# Altium PCB ir-24v-shit5-7-v2.PcbDoc (part 2 of 5) (continued)
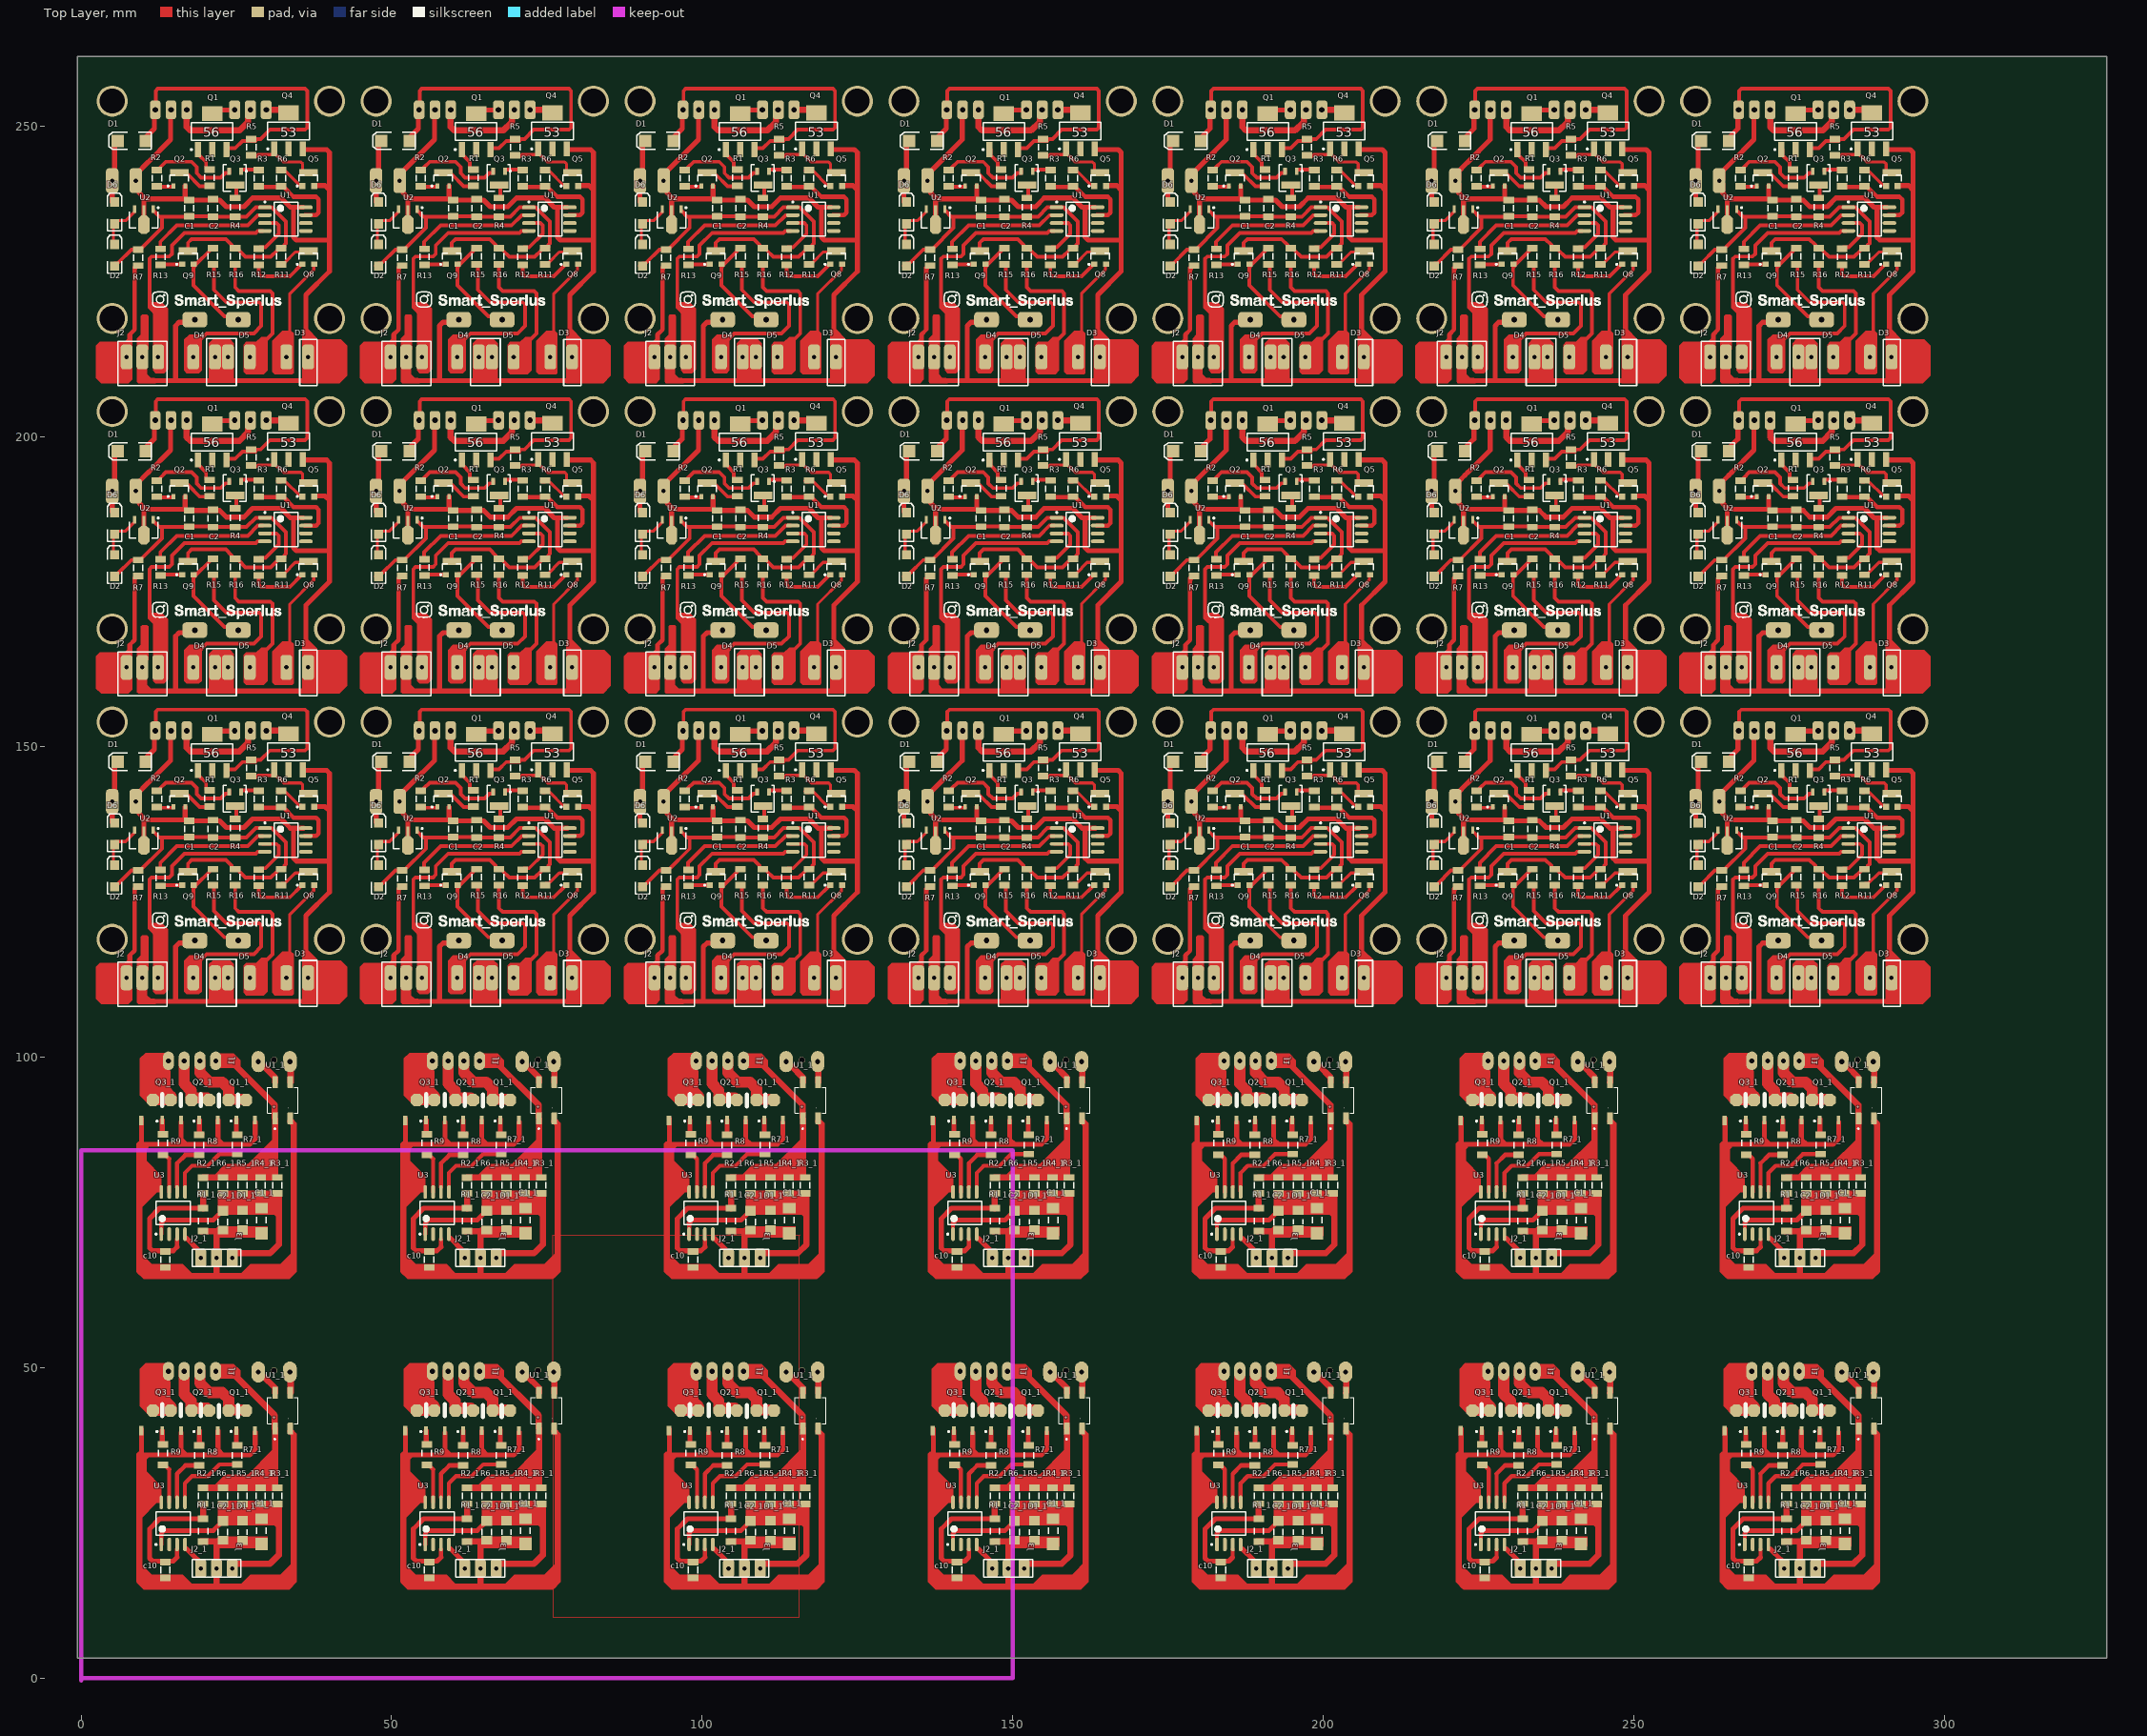
[diagram p0: Top Layer view]
## Part data
C1 C1 C1 C1 C1 C1 C1 C1 C1 C1 C1 C1 C1 C1 C1 C1 C1 C1 C1 C1 C1 C1_1 C1_1 C1_1 C1_1 C1_1 C1_1 C1_1 C1_1 C1_1 C1_1 C1_1 C1_1 C1_1 C1_1 C2 C2 C2 C2 C2 C2 C2 C2 C2 C2 C2 C2 C2 C2 C2 C2 C2 C2 C2 C2 C2 C2_1 C2_1 C2_1 C2_1 C2_1 C2_1 C2_1 C2_1 C2_1 C2_1 C2_1 C2_1 C2_1 C2_1: library part Capacitor, "Capacitor"
C5 C5 C5 C5 C5 C5 C5 C5 C5 C5 C5 C5 C5 C5 C5 C5 C5 C5 C5 C5 C5: library part "Capacitor Electrolytic", "Electrolytic Capacitor"
c10 c10 c10 c10 c10 c10 c10 c10 c10 c10 c10 c10 c10 c10 R1 R1 R1 R1 R1 R1 R1 R1 R1 R1 R1 R1 R1 R1 R1 R1 R1 R1 R1 R1 R1 R1_1 R1_1 R1_1 R1_1 R1_1 R1_1 R1_1 R1_1 R1_1 R1_1 R1_1 R1_1 R1_1 R1_1 R2 R2 R2 R2 R2 R2 R2 R2 R2 R2 R2 R2 R2 R2 R2 R2 R2 R2 R2 R2 R2 R2_1 R2_1 R2_1 R2_1 R2_1 R2_1 R2_1 R2_1 R2_1 R2_1 R2_1 R2_1 R2_1 R2_1 R3 R3 R3 R3 R3 R3 R3 R3 R3 R3 R3 R3 R3 R3 R3 R3 R3 R3 R3 R3 R3 R3_1 R3_1 R3_1 R3_1 R3_1 R3_1 R3_1 R3_1 R3_1 R3_1 R3_1 R3_1 R3_1 R3_1 R4 R4 R4 R4 R4 R4 R4 R4 R4 R4 R4 R4 R4 R4 R4 R4 R4 R4 R4 R4 R4 R4_1 R4_1 R4_1 R4_1 R4_1 R4_1 R4_1 R4_1 R4_1 R4_1 R4_1 R4_1 R4_1 R4_1 R5 R5 R5 R5 R5 R5 R5 R5 R5 R5 R5 R5 R5 R5 R5 R5 R5 R5 R5 R5 R5 R5_1 R5_1 R5_1 R5_1 R5_1 R5_1 R5_1 R5_1 R5_1 R5_1 R5_1 R5_1 R5_1 R5_1 R6 R6 R6 R6 R6 R6 R6 R6 R6 R6 R6 R6 R6 R6 R6 R6 R6 R6 R6 R6 R6 R6_1 R6_1 R6_1 R6_1 R6_1 R6_1 R6_1 R6_1 R6_1 R6_1 R6_1 R6_1 R6_1 R6_1 R7 R7 R7 R7 R7 R7 R7 R7 R7 R7 R7 R7 R7 R7 R7 R7 R7 R7 R7 R7 R7 R7_1 R7_1 R7_1 R7_1 R7_1 R7_1 R7_1 R7_1 R7_1 R7_1 R7_1 R7_1 R7_1 R7_1 R8 R8 R8 R8 R8 R8 R8 R8 R8 R8 R8 R8 R8 R8 R9 R9 R9 R9 R9 R9 R9 R9 R9 R9 R9 R9 R9 R9 R11 R11 R11 R11 R11 R11 R11 R11 R11 R11 R11 R11 R11 R11 R11 R11 R11 R11 R11 R11 R11 R12 R12 R12 R12 R12 R12 R12 R12 R12 R12 R12 R12 R12 R12 R12 R12 R12 R12 R12 R12 R12 R13 R13 R13 R13 R13 R13 R13 R13 R13 R13 R13 R13 R13 R13 R13 R13 R13 R13 R13 R13 R13 R15 R15 R15 R15 R15 R15 R15 R15 R15 R15 R15 R15 R15 R15 R15 R15 R15 R15 R15 R15 R15 R16 R16 R16 R16 R16 R16 R16 R16 R16 R16 R16 R16 R16 R16 R16 R16 R16 R16 R16 R16 R16: library part Resistor, "Resistor", Power="1/4 W", Tolerance=5%
  R1 R1 R1 R1 R1 R1 R1 R1 R1 R1 R1 R1 R1 R1 R1 R1 R1 R1 R1 R1 R1 R2 R2 R2 R2 R2 R2 R2 R2 R2 R2 R2 R2 R2 R2 R2 R2 R2 R2 R2 R2 R2 R3 R3 R3 R3 R3 R3 R3 R3 R3 R3 R3 R3 R3 R3 R3 R3 R3 R3 R3 R3 R3 R4 R4 R4 R4 R4 R4 R4 R4 R4 R4 R4 R4 R4 R4 R4 R4 R4 R4 R4 R4 R4 R5 R5 R5 R5 R5 R5 R5 R5 R5 R5 R5 R5 R5 R5 R5 R5 R5 R5 R5 R5 R5 R6 R6 R6 R6 R6 R6 R6 R6 R6 R6 R6 R6 R6 R6 R6 R6 R6 R6 R6 R6 R6 R7 R7 R7 R7 R7 R7 R7 R7 R7 R7 R7 R7 R7 R7 R7 R7 R7 R7 R7 R7 R7 R11 R11 R11 R11 R11 R11 R11 R11 R11 R11 R11 R11 R11 R11 R11 R11 R11 R11 R11 R11 R11 R12 R12 R12 R12 R12 R12 R12 R12 R12 R12 R12 R12 R12 R12 R12 R12 R12 R12 R12 R12 R12 R13 R13 R13 R13 R13 R13 R13 R13 R13 R13 R13 R13 R13 R13 R13 R13 R13 R13 R13 R13 R13 R15 R15 R15 R15 R15 R15 R15 R15 R15 R15 R15 R15 R15 R15 R15 R15 R15 R15 R15 R15 R15 R16 R16 R16 R16 R16 R16 R16 R16 R16 R16 R16 R16 R16 R16 R16 R16 R16 R16 R16 R16 R16: Simulation ModelName="Model Name", Simulation PortMap=(1:1),(2:2)
D1 D1 D1 D1 D1 D1 D1 D1 D1 D1 D1 D1 D1 D1 D1 D1 D1 D1 D1 D1 D1 D2 D2 D2 D2 D2 D2 D2 D2 D2 D2 D2 D2 D2 D2 D2 D2 D2 D2 D2 D2 D2 D6 D6 D6 D6 D6 D6 D6 D6 D6 D6 D6 D6 D6 D6 D6 D6 D6 D6 D6 D6 D6: "Tunnel Diode - RLC Model", LatestRevisionDate=17-Jul-2002, LatestRevisionNote="Re-released for DXP Platform.", PackageDescription="SM LED; 2 Flat Leads", PackageReference=3.2X1.6X1.1, PackageVersion=Feb-2002, Published=8-Jun-2000, Publisher="Altium Limited", Simulation ModelName=DTUNNEL1, Simulation PortMap=(1:1),(2:2)
D1_1 D1_1 D1_1 D1_1 D1_1 D1_1 D1_1 D1_1 D1_1 D1_1 D1_1 D1_1 D1_1 D1_1: "Default Diode", Code_JEDEC=DO-214-AB, LatestRevisionDate=17-Jul-2002, LatestRevisionNote="Re-released for DXP Platform.", PackageDescription="DO-214-AB/SMC; 2 C-Bend Leads; Body 7.9 x 5.9 mm, inc. leads (LxW)", PackageReference=SMC, PackageVersion=Sep-1996, Published=8-Jun-2000, Publisher="Altium Limited"
D3 D3 D3 D3 D3 D3 D3 D3 D3 D3 D3 D3 D3 D3 D3 D3 D3 D3 D3 D3 D3 D4 D4 D4 D4 D4 D4 D4 D4 D4 D4 D4 D4 D4 D4 D4 D4 D4 D4 D4 D4 D4 D5 D5 D5 D5 D5 D5 D5 D5 D5 D5 D5 D5 D5 D5 D5 D5 D5 D5 D5 D5 D5: "Typical RED, GREEN, YELLOW, AMBER GaAs LED", LatestRevisionDate=17-Jul-2002, LatestRevisionNote="Re-released for DXP Platform.", PackageDescription="SM LED; 2 Flat Leads", PackageReference=3.2X1.6X1.1, PackageVersion=Feb-2002, Published=8-Jun-2000, Publisher="Altium Limited", Simulation ModelName=LED2, Simulation PortMap=(1:1),(2:2)
Q1 Q1 Q1 Q1 Q1 Q1 Q1 Q1 Q1 Q1 Q1 Q1 Q1 Q1 Q1 Q1 Q1 Q1 Q1 Q1 Q1 Q4 Q4 Q4 Q4 Q4 Q4 Q4 Q4 Q4 Q4 Q4 Q4 Q4 Q4 Q4 Q4 Q4 Q4 Q4 Q4 Q4: "P-Channel MOSFET, Externally Terminated Substrate", Code_IPC=SOT223-4, Code_JEDEC=TO-261-AA-B, Code_JEITA=SC-75, LatestRevisionDate=29-May-2009, LatestRevisionNote="IPC-7351 Footprint Added.", PackageDescription="4-Pin SOT-223 Package 2.3 mm Pitch, 7 mm Lead Span", PackageReference=SOT223, PackageVersion=2002, Published=24-Mar-1999, Publisher="Altium Limited", Simulation ModelName=PMOS, Simulation PortMap=(1:2),(2:1),(3:4),(4:3)
Q1_1 Q1_1 Q1_1 Q1_1 Q1_1 Q1_1 Q1_1 Q1_1 Q1_1 Q1_1 Q1_1 Q1_1 Q1_1 Q1_1 Q2_1 Q2_1 Q2_1 Q2_1 Q2_1 Q2_1 Q2_1 Q2_1 Q2_1 Q2_1 Q2_1 Q2_1 Q2_1 Q2_1 Q3_1 Q3_1 Q3_1 Q3_1 Q3_1 Q3_1 Q3_1 Q3_1 Q3_1 Q3_1 Q3_1 Q3_1 Q3_1 Q3_1: "Silicon Bidirectional Triode Thyristor", ComponentLink1Description="Manufacturer Link", ComponentLink1URL=http://www.motorola.com/, DatasheetVersion=1999, LatestRevisionDate=17-Jul-2002, LatestRevisionNote="Re-released for DXP Platform.", Note="Pin 2 is electrically connected to Pin 4 (TAB)", PackageDescription="TO, Thru-Hole, Vertical, Heatsink Mounted; 3 In-Line Leads; Pitch 2.28 mm", PackageReference=369-03, Published=29-Sep-2000, Publisher="Altium Limited"
Q2 Q2 Q2 Q2 Q2 Q2 Q2 Q2 Q2 Q2 Q2 Q2 Q2 Q2 Q2 Q2 Q2 Q2 Q2 Q2 Q2 Q5 Q5 Q5 Q5 Q5 Q5 Q5 Q5 Q5 Q5 Q5 Q5 Q5 Q5 Q5 Q5 Q5 Q5 Q5 Q5 Q5 Q8 Q8 Q8 Q8 Q8 Q8 Q8 Q8 Q8 Q8 Q8 Q8 Q8 Q8 Q8 Q8 Q8 Q8 Q8 Q8 Q8 Q9 Q9 Q9 Q9 Q9 Q9 Q9 Q9 Q9 Q9 Q9 Q9 Q9 Q9 Q9 Q9 Q9 Q9 Q9 Q9 Q9: "NPN Bipolar Transistor", LatestRevisionDate=29-May-2009, LatestRevisionNote="IPC-7351 Footprint Added.", PackageDescription="3-Pin SOT-23 Package 0.95 mm Pitch, 2.4 mm Lead Span", PackageReference=SOT-23B, PackageVersion=Aug-1999, Published=8-Jun-2000, Publisher="Altium Limited", Simulation ModelName=QNPN, Simulation PortMap=(1:1),(2:2),(3:3)
Q3 Q3 Q3 Q3 Q3 Q3 Q3 Q3 Q3 Q3 Q3 Q3 Q3 Q3 Q3 Q3 Q3 Q3 Q3 Q3 Q3: "PNP Bipolar Transistor", LatestRevisionDate=29-May-2009, LatestRevisionNote="IPC-7351 Footprint Added.", PackageDescription="3-Pin SOT-23 Package 0.95 mm Pitch, 2.4 mm Lead Span", PackageReference=SOT-23B, PackageVersion=Aug-1999, Published=8-Jun-2000, Publisher="Altium Limited", Simulation ModelName=PNP, Simulation PortMap=(1:1),(2:2),(3:3)
U1 U1 U1 U1 U1 U1 U1 U1 U1 U1 U1 U1 U1 U1 U1 U1 U1 U1 U1 U1 U1 U3 U3 U3 U3 U3 U3 U3 U3 U3 U3 U3 U3 U3 U3: "8-Bit AVR Microcontroller with 1K Byte of Flash Memory", Supplier Part Number 1=ATTINY15L-1SC-ND, ComponentLink1Description=Datasheet, ComponentLink1URL=http://www.atmel.com/dyn/resources/prod_documents/doc1187.pdf, ComponentLink2Description="Atmel.com Home", ComponentLink2URL=http://www.atmel.com, DatasheetVersion=1187E-AVR-06/02, LatestRevisionDate=16-Oct-2006, LatestRevisionNote="IPC-7351 Footprint Added.", PackageDescription="8-Lead, 0.208\" Body, Plastic Small Outline Package (EIAJ)", PackageReference=8S2, PackageVersion="revF, Apr-2008", Published=17-Sep-2003, Publisher="Altium Limited", Supplier 1=Digi-Key, Supplier 2=Mouser, Supplier Part Number 2=556-ATTINY15L1SC
U1_1 U1_1 U1_1 U1_1 U1_1 U1_1 U1_1 U1_1 U1_1 U1_1 U1_1 U1_1 U1_1 U1_1: "Bridge Rectifier Single Phase Standard 600V Surface Mount 4-SOIC", Package="BESOP-4 Surge Components", Digi-Key_Part_Number=MB6SCT-ND, Digi-Key_Purchase_URL=https://www.digikey.com.tr/product-detail/en/on-semiconductor/MB6S/MB6SCT-ND/965654?utm_source=snapeda&utm_medium=aggregator&utm_campaign=symbol, MF="ON Semiconductor", MP=MB6S, SnapEDA_Link=https://www.snapeda.com/parts/MB6S/ON%20Semiconductor/view-part/2774209/?ref=snap
U2 U2 U2 U2 U2 U2 U2 U2 U2 U2 U2 U2 U2 U2 U2 U2 U2 U2 U2 U2 U2: "800mA Low-Dropout Linear Regulator", DigiKeyPartNumber=LM1117MP-3.3CT-ND, Manufacturer="National Semiconductor", PackageTopMarking=XYTT*N05A, PowerWise=N, Code_IPC=SOT223-4, Code_JEDEC=TO-261-AA, ComponentLink1Description="LM1117 Datasheet", ComponentLink1URL=http://www.national.com/ds/LM/LM1117.pdf, ComponentLink2Description="LM1117 Web Page", ComponentLink2URL=http://www.national.com/pf/LM/LM1117.html, ComponentLink3Description="MP04A Package Page", ComponentLink3URL=http://www.national.com/packaging/folders/mp04a.html, CompType="LDO IC", DatasheetVersion=Apr-2006, PackageDescription="Molded SOT-223, 6.50 x 3.56 x 1.6mm Body, 4 Lead, 2.3mm Pitch", PackageReference=MP04A, PackageVersion="revB, Apr-2003", PartNumber=LM1117MP-3.3, PinCount=4, Published=4-Dec-2008, Publisher="Altium Limited", RoHS=O
Buzzer1 Buzzer1 Buzzer1 Buzzer1 Buzzer1 Buzzer1 Buzzer1 Buzzer1 Buzzer1 Buzzer1 Buzzer1 Buzzer1 Buzzer1 Buzzer1 Buzzer1 Buzzer1 Buzzer1 Buzzer1 Buzzer1 Buzzer1 Buzzer1: ComponentLinkURL=www.picpars.com, Designer="Seyed Mohsen Ghasemain"

## Free pads (board coordinates)
  round 5 hole 4: 2(5,154) 2(5,204) 2(5,254) 2(40,119) 2(40,169) 2(40,219) 2(47.5,154) 2(47.5,204) 2(47.5,254) 2(82.5,119) 2(82.5,169) 2(82.5,219) 2(90,154) 2(90,204) 2(90,254) 2(125,119) 2(125,169) 2(125,219) 2(132.5,154) 2(132.5,204) 2(132.5,254) 2(167.5,119) 2(167.5,169) 2(167.5,219) 2(175,154) 2(175,204) 2(175,254) 2(210,119) 2(210,169) 2(210,219) 2(217.5,154) 2(217.5,204) 2(217.5,254) 2(252.5,119) 2(252.5,169) 2(252.5,219) 2(260,154) 2(260,204) 2(260,254) 2(295,119) 2(295,169) 2(295,219) 3(5,119) 3(5,169) 3(5,219) 3(47.5,119) 3(47.5,169) 3(47.5,219) 3(90,119) 3(90,169) 3(90,219) 3(132.5,119) 3(132.5,169) 3(132.5,219) 3(175,119) 3(175,169) 3(175,219) 3(217.5,119) 3(217.5,169) 3(217.5,219) 3(260,119) 3(260,169) 3(260,219) 5(40,154) 5(40,204) 5(40,254) 5(82.5,154) 5(82.5,204) 5(82.5,254) 5(125,154) 5(125,204) 5(125,254) 5(167.5,154) 5(167.5,204) 5(167.5,254) 5(210,154) 5(210,204) 5(210,254) 5(252.5,154) 5(252.5,204) 5(252.5,254) 5(295,154) 5(295,204) 5(295,254)
  rect 0.7x1.524 all layers, no hole: 163(9.661,39.847) 163(9.661,89.847) 163(52.161,39.847) 163(52.161,89.847) 163(94.661,39.847) 163(94.661,89.847) 163(137.161,39.847) 163(137.161,89.847) 163(179.661,39.847) 163(179.661,89.847) 163(222.161,39.847) 163(222.161,89.847) 163(264.661,39.847) 163(264.661,89.847)
  oct 2x2 all layers, no hole: 173(11.572,43.126) 173(11.572,93.126) 173(14.366,43.126) 173(14.366,93.126) 173(17.795,43.126) 173(17.795,93.126) 173(20.589,43.126) 173(20.589,93.126) 173(23.764,43.126) 173(23.764,93.126) 173(26.558,43.126) 173(26.558,93.126) 173(54.072,43.126) 173(54.072,93.126) 173(56.866,43.126) 173(56.866,93.126) 173(60.295,43.126) 173(60.295,93.126) 173(63.089,43.126) 173(63.089,93.126) 173(66.264,43.126) 173(66.264,93.126) 173(69.058,43.126) 173(69.058,93.126) 173(96.572,43.126) 173(96.572,93.126) 173(99.366,43.126) 173(99.366,93.126) 173(102.795,43.126) 173(102.795,93.126) 173(105.589,43.126) 173(105.589,93.126) 173(108.764,43.126) 173(108.764,93.126) 173(111.558,43.126) 173(111.558,93.126) 173(139.072,43.126) 173(139.072,93.126) 173(141.866,43.126) 173(141.866,93.126) 173(145.295,43.126) 173(145.295,93.126) 173(148.089,43.126) 173(148.089,93.126) 173(151.264,43.126) 173(151.264,93.126) 173(154.058,43.126) 173(154.058,93.126) 173(181.572,43.126) 173(181.572,93.126) 173(184.366,43.126) 173(184.366,93.126) 173(187.795,43.126) 173(187.795,93.126) 173(190.589,43.126) 173(190.589,93.126) 173(193.764,43.126) 173(193.764,93.126) 173(196.558,43.126) 173(196.558,93.126) 173(224.072,43.126) 173(224.072,93.126) 173(226.866,43.126) 173(226.866,93.126) 173(230.295,43.126) 173(230.295,93.126) 173(233.089,43.126) 173(233.089,93.126) 173(236.264,43.126) 173(236.264,93.126) 173(239.058,43.126) 173(239.058,93.126) 173(266.572,43.126) 173(266.572,93.126) 173(269.366,43.126) 173(269.366,93.126) 173(272.795,43.126) 173(272.795,93.126) 173(275.589,43.126) 173(275.589,93.126) 173(278.764,43.126) 173(278.764,93.126) 173(281.558,43.126) 173(281.558,93.126)

## Nets (pads, with @x,y where several pads share a name; then routed paths per layer and width w, separated by ;. In a path a pad name is that pad's centre, name@x,y a point inside that pad or via, vN(x,y) a via of type N, cw(c..) or ccw(c..) an arc to the next point about the centre after c; other vN are vias at no path point)
bizer: 
GND: 
ir-r: 
ir-t: 
key: 
key+: 
key-: 
NetBuzzer1_1: 
NetD2_2: 
NetD3_1: 
NetD4_1: 
NetD5_1: 
NetJ2_1: 
NetQ1_1: 
NetQ2_1: 
NetQ2_2: 
NetQ3_1: 
NetQ3_2: 
NetQ3_3: 
NetQ4_1: 
NetQ5_2: 
NetQ8_1: 
NetQ8_2: 
NetQ9_2: 
NetQ10_1: 
NetQ10_2: 
NetQ10_3: 
out: 
vcc: 
vdd: 
vdd-a: 
pads on no net: Buzzer1.1 Buzzer1.2 C1.1 C1.2 C1_1.1 C1_1.2 C2.1 C2.2 C2_1.1 C2_1.2 C5.1 C5.2 c10.1 c10.2 D1.1 D1.2 D1_1.1 D1_1.2 D2.1 D2.2 D3.1 D3.2 D4.1 D4.2 D5.1 D5.2 D6.1 D6.2 J1.1 J1.2 J1.3 J2.1 J2.2 J2.3 J2_1.1 J2_1.2 J2_1.3 J3.1 J3.2 J3.3 J3.4 Q1.1 Q1.2 Q1.3 Q1.4 Q1_1.1 Q1_1.3 Q2.1 Q2.2 Q2.3 Q2_1.1 Q2_1.3 Q3.1 Q3.2 Q3.3 Q3_1.1 Q3_1.3 Q4.1 Q4.2 Q4.3 Q4.4 Q5.1 Q5.2 Q5.3 Q8.1 Q8.2 Q8.3 Q9.1 Q9.2 Q9.3 R1.1 R1.2 R1_1.1 R1_1.2 R2.1 R2.2 R2_1.1 R2_1.2 R3.1 R3.2 R3_1.1 R3_1.2 R4.1 R4.2 R4_1.1 R4_1.2 R5.1 R5.2 R5_1.1 R5_1.2 R6.1 R6.2 R6_1.1 R6_1.2 R7.1 R7.2 R7_1.1 R7_1.2 R8.1 R8.2 R9.1 R9.2 R11.1 R11.2 R12.1 R12.2 R13.1 R13.2 R15.1 R15.2 R16.1 R16.2 U1.1 U1.2 U1.3 U1.4 U1.5 U1.6 U1.7 U1.8 U1_1.1 U1_1.2 U1_1.3 U1_1.4 U2.1 U2.2 U2.3 U3.1 U3.2 U3.3 U3.4 U3.5 U3.6 U3.7 U3.8
copper on no net: | length 15730.2
  Top Layer w0.5: 5,134.25 5.5,134.75 7.15,134.75 8.599,136.199 ; 5,184.25 5.5,184.75 7.15,184.75 8.599,186.199 ; 5,234.25 5.5,234.75 7.15,234.75 8.599,236.199 ; 5.2,130.95 5.2,134.05 5.4,134.25 ; 5.2,180.95 5.2,184.05 5.4,184.25 ; 5.2,230.95 5.2,234.05 5.4,234.25 ; 12.567,28.642 12.608,28.602 ; 12.567,78.642 12.608,78.602 ; 22.214,24.7 22.214,24.75 ; 22.214,74.7 22.214,74.75 ; 22.764,25.3 22.814,25.3 ; 22.764,75.3 22.814,75.3 ; 28.2,145.105 28.495,145.4 30.85,145.4 31.1,145.65 31.1,145.85 ; 28.2,195.105 28.495,195.4 30.85,195.4 31.1,195.65 31.1,195.85 ; 28.2,245.105 28.495,245.4 30.85,245.4 31.1,245.65 31.1,245.85 ; 31.1,145.4 31.1,145.85 ; 31.1,146.3 31.1,145.85 ; 31.1,195.4 31.1,195.85 ; 31.1,196.3 31.1,195.85 ; 31.1,245.4 31.1,245.85 ; 31.1,246.3 31.1,245.85 ; 31.3,145.4 31.55,145.15 31.65,145.15 32.6,144.2 35.375,144.2 35.668,143.907 35.668,142.825 36.018,142.475 36.6,142.475 ; 31.3,195.4 31.55,195.15 31.65,195.15 32.6,194.2 35.375,194.2 35.668,193.907 35.668,192.825 36.018,192.475 36.6,192.475 ; 31.3,245.4 31.55,245.15 31.65,245.15 32.6,244.2 35.375,244.2 35.668,243.907 35.668,242.825 36.018,242.475 36.6,242.475 ; 31.586,142.839 31.8,142.626 31.986,142.626 32.174,142.626 ; 31.586,192.839 31.8,192.626 31.986,192.626 32.174,192.626 ; 31.586,242.839 31.8,242.626 31.986,242.626 32.174,242.626 ; 32,127.705 32.275,127.98 32.78,127.98 34.5,129.7 36.35,129.7 36.4,129.75 36.4,129.875 ; 32,177.705 32.275,177.98 32.78,177.98 34.5,179.7 36.35,179.7 36.4,179.75 36.4,179.875 ; 32,227.705 32.275,227.98 32.78,227.98 34.5,229.7 36.35,229.7 36.4,229.75 36.4,229.875 ; 32.4,142.901 32.725,142.901 33,142.626 35.051,140.575 35.4,140.575 35.42,140.555 35.42,140.206 ; 32.4,192.901 32.725,192.901 33,192.626 35.051,190.575 35.4,190.575 35.42,190.555 35.42,190.206 ; 32.4,242.901 32.725,242.901 33,242.626 35.051,240.575 35.4,240.575 35.42,240.555 35.42,240.206 ; 33.05,114.25 33.6,114.8 33.6,123 37.445,126.845 37.445,127.62 37.55,127.725 ; 33.05,164.25 33.6,164.8 33.6,173 37.445,176.845 37.445,177.62 37.55,177.725 ; 33.05,214.25 33.6,214.8 33.6,223 37.445,226.845 37.445,227.62 37.55,227.725 ; 47.5,134.25 48,134.75 49.65,134.75 51.099,136.199 ; 47.5,184.25 48,184.75 49.65,184.75 51.099,186.199 ; 47.5,234.25 48,234.75 49.65,234.75 51.099,236.199 ; 47.7,130.95 47.7,134.05 47.9,134.25 ; 47.7,180.95 47.7,184.05 47.9,184.25 ; 47.7,230.95 47.7,234.05 47.9,234.25 ; 55.067,28.642 55.108,28.602 ; 55.067,78.642 55.108,78.602 ; 64.714,24.7 64.714,24.75 ; 64.714,74.7 64.714,74.75 ; 65.264,25.3 65.314,25.3 ; 65.264,75.3 65.314,75.3 ; 70.7,145.105 70.995,145.4 73.35,145.4 73.6,145.65 73.6,145.85 ; 70.7,195.105 70.995,195.4 73.35,195.4 73.6,195.65 73.6,195.85 ; 70.7,245.105 70.995,245.4 73.35,245.4 73.6,245.65 73.6,245.85 ; 73.6,145.4 73.6,145.85 ; 73.6,146.3 73.6,145.85 ; 73.6,195.4 73.6,195.85 ; 73.6,196.3 73.6,195.85 ; 73.6,245.4 73.6,245.85 ; 73.6,246.3 73.6,245.85 ; 73.8,145.4 74.05,145.15 74.15,145.15 75.1,144.2 77.875,144.2 78.168,143.907 78.168,142.825 78.518,142.475 79.1,142.475 ; 73.8,195.4 74.05,195.15 74.15,195.15 75.1,194.2 77.875,194.2 78.168,193.907 78.168,192.825 78.518,192.475 79.1,192.475 ; 73.8,245.4 74.05,245.15 74.15,245.15 75.1,244.2 77.875,244.2 78.168,243.907 78.168,242.825 78.518,242.475 79.1,242.475 ; 74.086,142.839 74.3,142.626 74.486,142.626 74.674,142.626 ; 74.086,192.839 74.3,192.626 74.486,192.626 74.674,192.626 ; 74.086,242.839 74.3,242.626 74.486,242.626 74.674,242.626 ; 74.5,127.705 74.775,127.98 75.28,127.98 77,129.7 78.85,129.7 78.9,129.75 78.9,129.875 ; 74.5,177.705 74.775,177.98 75.28,177.98 77,179.7 78.85,179.7 78.9,179.75 78.9,179.875 ; 74.5,227.705 74.775,227.98 75.28,227.98 77,229.7 78.85,229.7 78.9,229.75 78.9,229.875 ; 74.9,142.901 75.225,142.901 75.5,142.626 77.551,140.575 77.9,140.575 77.92,140.555 77.92,140.206 ; 74.9,192.901 75.225,192.901 75.5,192.626 77.551,190.575 77.9,190.575 77.92,190.555 77.92,190.206 ; 74.9,242.901 75.225,242.901 75.5,242.626 77.551,240.575 77.9,240.575 77.92,240.555 77.92,240.206 ; 75.55,114.25 76.1,114.8 76.1,123 79.945,126.845 79.945,127.62 80.05,127.725 ; 75.55,164.25 76.1,164.8 76.1,173 79.945,176.845 79.945,177.62 80.05,177.725 ; 75.55,214.25 76.1,214.8 76.1,223 79.945,226.845 79.945,227.62 80.05,227.725 ; 90,134.25 90.5,134.75 92.15,134.75 93.599,136.199 ; 90,184.25 90.5,184.75 92.15,184.75 93.599,186.199 ; 90,234.25 90.5,234.75 92.15,234.75 93.599,236.199 ; 90.2,130.95 90.2,134.05 90.4,134.25 ; 90.2,180.95 90.2,184.05 90.4,184.25 ; 90.2,230.95 90.2,234.05 90.4,234.25 ; 97.567,28.642 97.608,28.602 ; 97.567,78.642 97.608,78.602 ; 107.214,24.7 107.214,24.75 ; 107.214,74.7 107.214,74.75 ; 107.764,25.3 107.814,25.3 ; 107.764,75.3 107.814,75.3 ; 113.2,145.105 113.495,145.4 115.85,145.4 116.1,145.65 116.1,145.85 ; 113.2,195.105 113.495,195.4 115.85,195.4 116.1,195.65 116.1,195.85 ; 113.2,245.105 113.495,245.4 115.85,245.4 116.1,245.65 116.1,245.85 ; 116.1,145.4 116.1,145.85 ; 116.1,146.3 116.1,145.85 ; 116.1,195.4 116.1,195.85 ; 116.1,196.3 116.1,195.85 ; 116.1,245.4 116.1,245.85 ; 116.1,246.3 116.1,245.85 ; 116.3,145.4 116.55,145.15 116.65,145.15 117.6,144.2 120.375,144.2 120.668,143.907 120.668,142.825 121.018,142.475 121.6,142.475 ; 116.3,195.4 116.55,195.15 116.65,195.15 117.6,194.2 120.375,194.2 120.668,193.907 120.668,192.825 121.018,192.475 121.6,192.475 ; 116.3,245.4 116.55,245.15 116.65,245.15 117.6,244.2 120.375,244.2 120.668,243.907 120.668,242.825 121.018,242.475 121.6,242.475 ; 116.586,142.839 116.8,142.626 116.986,142.626 117.174,142.626 ; 116.586,192.839 116.8,192.626 116.986,192.626 117.174,192.626 ; 116.586,242.839 116.8,242.626 116.986,242.626 117.174,242.626 ; 117,127.705 117.275,127.98 117.78,127.98 119.5,129.7 121.35,129.7 121.4,129.75 121.4,129.875 ; 117,177.705 117.275,177.98 117.78,177.98 119.5,179.7 121.35,179.7 121.4,179.75 121.4,179.875 ; 117,227.705 117.275,227.98 117.78,227.98 119.5,229.7 121.35,229.7 121.4,229.75 121.4,229.875 ; 117.4,142.901 117.725,142.901 118,142.626 120.051,140.575 120.4,140.575 120.42,140.555 120.42,140.206 ; 117.4,192.901 117.725,192.901 118,192.626 120.051,190.575 120.4,190.575 120.42,190.555 120.42,190.206 ; 117.4,242.901 117.725,242.901 118,242.626 120.051,240.575 120.4,240.575 120.42,240.555 120.42,240.206 ; 118.05,114.25 118.6,114.8 118.6,123 122.445,126.845 122.445,127.62 122.55,127.725 ; 118.05,164.25 118.6,164.8 118.6,173 122.445,176.845 122.445,177.62 122.55,177.725 ; 118.05,214.25 118.6,214.8 118.6,223 122.445,226.845 122.445,227.62 122.55,227.725 ; 132.5,134.25 133,134.75 134.65,134.75 136.099,136.199 ; 132.5,184.25 133,184.75 134.65,184.75 136.099,186.199 ; 132.5,234.25 133,234.75 134.65,234.75 136.099,236.199 ; 132.7,130.95 132.7,134.05 132.9,134.25 ; 132.7,180.95 132.7,184.05 132.9,184.25 ; 132.7,230.95 132.7,234.05 132.9,234.25 ; 140.067,28.642 140.108,28.602 ; 140.067,78.642 140.108,78.602 ; 149.714,24.7 149.714,24.75 ; 149.714,74.7 149.714,74.75 ; 150.264,25.3 150.314,25.3 ; 150.264,75.3 150.314,75.3 ; 155.7,145.105 155.995,145.4 158.35,145.4 158.6,145.65 158.6,145.85 ; 155.7,195.105 155.995,195.4 158.35,195.4 158.6,195.65 158.6,195.85 ; 155.7,245.105 155.995,245.4 158.35,245.4 158.6,245.65 158.6,245.85 ; 158.6,145.4 158.6,145.85 ; 158.6,146.3 158.6,145.85 ; 158.6,195.4 158.6,195.85 ; 158.6,196.3 158.6,195.85 ; 158.6,245.4 158.6,245.85 ; 158.6,246.3 158.6,245.85 ; 158.8,145.4 159.05,145.15 159.15,145.15 160.1,144.2 162.875,144.2 163.168,143.907 163.168,142.825 163.518,142.475 164.1,142.475 ; 158.8,195.4 159.05,195.15 159.15,195.15 160.1,194.2 162.875,194.2 163.168,193.907 163.168,192.825 163.518,192.475 164.1,192.475 ; 158.8,245.4 159.05,245.15 159.15,245.15 160.1,244.2 162.875,244.2 163.168,243.907 163.168,242.825 163.518,242.475 164.1,242.475 ; 159.086,142.839 159.3,142.626 159.486,142.626 159.674,142.626 ; 159.086,192.839 159.3,192.626 159.486,192.626 159.674,192.626 ; 159.086,242.839 159.3,242.626 159.486,242.626 159.674,242.626 ; 159.5,127.705 159.775,127.98 160.28,127.98 162,129.7 163.85,129.7 163.9,129.75 163.9,129.875 ; 159.5,177.705 159.775,177.98 160.28,177.98 162,179.7 163.85,179.7 163.9,179.75 163.9,179.875 ; 159.5,227.705 159.775,227.98 160.28,227.98 162,229.7 163.85,229.7 163.9,229.75 163.9,229.875 ; 159.9,142.901 160.225,142.901 160.5,142.626 162.551,140.575 162.9,140.575 162.92,140.555 162.92,140.206 ; 159.9,192.901 160.225,192.901 160.5,192.626 162.551,190.575 162.9,190.575 162.92,190.555 162.92,190.206 ; 159.9,242.901 160.225,242.901 160.5,242.626 162.551,240.575 162.9,240.575 162.92,240.555 162.92,240.206 ; 160.55,114.25 161.1,114.8 161.1,123 164.945,126.845 164.945,127.62 165.05,127.725 ; 160.55,164.25 161.1,164.8 161.1,173 164.945,176.845 164.945,177.62 165.05,177.725 ; 160.55,214.25 161.1,214.8 161.1,223 164.945,226.845 164.945,227.62 165.05,227.725 ; 175,134.25 175.5,134.75 177.15,134.75 178.599,136.199 ; 175,184.25 175.5,184.75 177.15,184.75 178.599,186.199 ; 175,234.25 175.5,234.75 177.15,234.75 178.599,236.199 ; 175.2,130.95 175.2,134.05 175.4,134.25 ; 175.2,180.95 175.2,184.05 175.4,184.25 ; 175.2,230.95 175.2,234.05 175.4,234.25 ; 182.567,28.642 182.608,28.602 ; 182.567,78.642 182.608,78.602 ; 192.214,24.7 192.214,24.75 ; 192.214,74.7 192.214,74.75 ; 192.764,25.3 192.814,25.3 ; 192.764,75.3 192.814,75.3 ; 198.2,145.105 198.495,145.4 200.85,145.4 201.1,145.65 201.1,145.85 ; 198.2,195.105 198.495,195.4 200.85,195.4 201.1,195.65 201.1,195.85 ; 198.2,245.105 198.495,245.4 200.85,245.4 201.1,245.65 201.1,245.85 ; 201.1,145.4 201.1,145.85 ; 201.1,146.3 201.1,145.85 ; 201.1,195.4 201.1,195.85 ; 201.1,196.3 201.1,195.85 ; 201.1,245.4 201.1,245.85 ; 201.1,246.3 201.1,245.85 ; 201.3,145.4 201.55,145.15 201.65,145.15 202.6,144.2 205.375,144.2 205.668,143.907 205.668,142.825 206.018,142.475 206.6,142.475 ; 201.3,195.4 201.55,195.15 201.65,195.15 202.6,194.2 205.375,194.2 205.668,193.907 205.668,192.825 206.018,192.475 206.6,192.475 ; 201.3,245.4 201.55,245.15 201.65,245.15 202.6,244.2 205.375,244.2 205.668,243.907 205.668,242.825 206.018,242.475 206.6,242.475 ; 201.586,142.839 201.8,142.626 201.986,142.626 202.174,142.626 ; 201.586,192.839 201.8,192.626 201.986,192.626 202.174,192.626 ; 201.586,242.839 201.8,242.626 201.986,242.626 202.174,242.626 ; 202,127.705 202.275,127.98 202.78,127.98 204.5,129.7 206.35,129.7 206.4,129.75 206.4,129.875 ; 202,177.705 202.275,177.98 202.78,177.98 204.5,179.7 206.35,179.7 206.4,179.75 206.4,179.875 ; 202,227.705 202.275,227.98 202.78,227.98 204.5,229.7 206.35,229.7 206.4,229.75 206.4,229.875 ; 202.4,142.901 202.725,142.901 203,142.626 205.051,140.575 205.4,140.575 205.42,140.555 205.42,140.206 ; 202.4,192.901 202.725,192.901 203,192.626 205.051,190.575 205.4,190.575 205.42,190.555 205.42,190.206 ; 202.4,242.901 202.725,242.901 203,242.626 205.051,240.575 205.4,240.575 205.42,240.555 205.42,240.206 ; 203.05,114.25 203.6,114.8 203.6,123 207.445,126.845 207.445,127.62 207.55,127.725 ; 203.05,164.25 203.6,164.8 203.6,173 207.445,176.845 207.445,177.62 207.55,177.725 ; 203.05,214.25 203.6,214.8 203.6,223 207.445,226.845 207.445,227.62 207.55,227.725 ; 217.5,134.25 218,134.75 219.65,134.75 221.099,136.199 ; 217.5,184.25 218,184.75 219.65,184.75 221.099,186.199 ; 217.5,234.25 218,234.75 219.65,234.75 221.099,236.199 ; 217.7,130.95 217.7,134.05 217.9,134.25 ; 217.7,180.95 217.7,184.05 217.9,184.25 ; 217.7,230.95 217.7,234.05 217.9,234.25 ; 225.067,28.642 225.108,28.602 ; 225.067,78.642 225.108,78.602 ; 234.714,24.7 234.714,24.75 ; 234.714,74.7 234.714,74.75 ; 235.264,25.3 235.314,25.3 ; 235.264,75.3 235.314,75.3 ; 240.7,145.105 240.995,145.4 243.35,145.4 243.6,145.65 243.6,145.85 ; 240.7,195.105 240.995,195.4 243.35,195.4 243.6,195.65 243.6,195.85 ; 240.7,245.105 240.995,245.4 243.35,245.4 243.6,245.65 243.6,245.85 ; 243.6,145.4 243.6,145.85 ; 243.6,146.3 243.6,145.85 ; 243.6,195.4 243.6,195.85 ; 243.6,196.3 243.6,195.85 ; 243.6,245.4 243.6,245.85 ; 243.6,246.3 243.6,245.85 ; 243.8,145.4 244.05,145.15 244.15,145.15 245.1,144.2 247.875,144.2 248.168,143.907 248.168,142.825 248.518,142.475 249.1,142.475 ; 243.8,195.4 244.05,195.15 244.15,195.15 245.1,194.2 247.875,194.2 248.168,193.907 248.168,192.825 248.518,192.475 249.1,192.475 ; 243.8,245.4 244.05,245.15 244.15,245.15 245.1,244.2 247.875,244.2 248.168,243.907 248.168,242.825 248.518,242.475 249.1,242.475 ; 244.086,142.839 244.3,142.626 244.486,142.626 244.674,142.626 ; 244.086,192.839 244.3,192.626 244.486,192.626 244.674,192.626 ; 244.086,242.839 244.3,242.626 244.486,242.626 244.674,242.626 ; 244.5,127.705 244.775,127.98 245.28,127.98 247,129.7 248.85,129.7 248.9,129.75 248.9,129.875 ; 244.5,177.705 244.775,177.98 245.28,177.98 247,179.7 248.85,179.7 248.9,179.75 248.9,179.875 ; 244.5,227.705 244.775,227.98 245.28,227.98 247,229.7 248.85,229.7 248.9,229.75 248.9,229.875 ; 244.9,142.901 245.225,142.901 245.5,142.626 247.551,140.575 247.9,140.575 247.92,140.555 247.92,140.206 ; 244.9,192.901 245.225,192.901 245.5,192.626 247.551,190.575 247.9,190.575 247.92,190.555 247.92,190.206 ; 244.9,242.901 245.225,242.901 245.5,242.626 247.551,240.575 247.9,240.575 247.92,240.555 247.92,240.206 ; 245.55,114.25 246.1,114.8 246.1,123 249.945,126.845 249.945,127.62 250.05,127.725 ; 245.55,164.25 246.1,164.8 246.1,173 249.945,176.845 249.945,177.62 250.05,177.725 ; 245.55,214.25 246.1,214.8 246.1,223 249.945,226.845 249.945,227.62 250.05,227.725 ; 260,134.25 260.5,134.75 262.15,134.75 263.599,136.199 ; 260,184.25 260.5,184.75 262.15,184.75 263.599,186.199 ; 260,234.25 260.5,234.75 262.15,234.75 263.599,236.199 ; 260.2,130.95 260.2,134.05 260.4,134.25 ; 260.2,180.95 260.2,184.05 260.4,184.25 ; 260.2,230.95 260.2,234.05 260.4,234.25 ; 267.567,28.642 267.608,28.602 ; 267.567,78.642 267.608,78.602 ; 277.214,24.7 277.214,24.75 ; 277.214,74.7 277.214,74.75 ; 277.764,25.3 277.814,25.3 ; 277.764,75.3 277.814,75.3 ; 283.2,145.105 283.495,145.4 285.85,145.4 286.1,145.65 286.1,145.85 ; 283.2,195.105 283.495,195.4 285.85,195.4 286.1,195.65 286.1,195.85 ; 283.2,245.105 283.495,245.4 285.85,245.4 286.1,245.65 286.1,245.85 ; 286.1,145.4 286.1,145.85 ; 286.1,146.3 286.1,145.85 ; 286.1,195.4 286.1,195.85 ; 286.1,196.3 286.1,195.85 ; 286.1,245.4 286.1,245.85 ; 286.1,246.3 286.1,245.85 ; 286.3,145.4 286.55,145.15 286.65,145.15 287.6,144.2 290.375,144.2 290.668,143.907 290.668,142.825 291.018,142.475 291.6,142.475 ; 286.3,195.4 286.55,195.15 286.65,195.15 287.6,194.2 290.375,194.2 290.668,193.907 290.668,192.825 291.018,192.475 291.6,192.475 ; 286.3,245.4 286.55,245.15 286.65,245.15 287.6,244.2 290.375,244.2 290.668,243.907 290.668,242.825 291.018,242.475 291.6,242.475 ; 286.586,142.839 286.8,142.626 286.986,142.626 287.174,142.626 ; 286.586,192.839 286.8,192.626 286.986,192.626 287.174,192.626 ; 286.586,242.839 286.8,242.626 286.986,242.626 287.174,242.626 ; 287,127.705 287.275,127.98 287.78,127.98 289.5,129.7 291.35,129.7 291.4,129.75 291.4,129.875 ; 287,177.705 287.275,177.98 287.78,177.98 289.5,179.7 291.35,179.7 291.4,179.75 291.4,179.875 ; 287,227.705 287.275,227.98 287.78,227.98 289.5,229.7 291.35,229.7 291.4,229.75 291.4,229.875 ; 287.4,142.901 287.725,142.901 288,142.626 290.051,140.575 290.4,140.575 290.42,140.555 290.42,140.206 ; 287.4,192.901 287.725,192.901 288,192.626 290.051,190.575 290.4,190.575 290.42,190.555 290.42,190.206 ; 287.4,242.901 287.725,242.901 288,242.626 290.051,240.575 290.4,240.575 290.42,240.555 290.42,240.206 ; 288.05,114.25 288.6,114.8 288.6,123 292.445,126.845 292.445,127.62 292.55,127.725 ; 288.05,164.25 288.6,164.8 288.6,173 292.445,176.845 292.445,177.62 292.55,177.725 ; 288.05,214.25 288.6,214.8 288.6,223 292.445,226.845 292.445,227.62 292.55,227.725